# KiCad board haptic display 8x8 aisler.kicad_pcb (continued)
## Routing (per net, layer and track width the routed paths; a pad name or vN(x,y) marks a point on that pad's centre or on a via; arc(x,y) is an arc through that point) (continued)
  In2.Cu w0.15: 95.41,123.98 95.36,123.96 95,123.6 95,123.55 94.79,123.56 94.59,123.6 94.39,123.67 94.2,123.76 94.03,123.88 93.88,124.03 93.75,124.19 93.64,124.38 93.56,124.58 93.51,124.79 93.49,125 93.5,125.22 93.54,125.43 93.61,125.64 93.71,125.83 93.84,126.01 93.99,126.17 94.16,126.31 94.35,126.42 94.56,126.5 94.78,126.55 95,126.58 95.22,126.56 95.45,126.52 95.66,126.45 95.86,126.34 96.05,126.21 96.22,126.05 96.36,125.87 96.47,125.67 96.56,125.46 96.62,125.23 96.64,125 96.63,124.77 96.58,124.54 96.51,124.31 96.4,124.1 96.26,123.91 96.09,123.74 95.91,123.59 95.7,123.47 95.48,123.38 95.24,123.32 95,123.3 94.78,123.31 94.56,123.35 94.34,123.41 94.14,123.51 93.95,123.63 93.78,123.78 93.62,123.94 93.49,124.13 93.39,124.33 93.31,124.55 93.26,124.77 93.24,125 93.25,125.23 93.29,125.46 93.36,125.68 93.46,125.89 93.58,126.09 93.73,126.27 93.9,126.43 94.1,126.56 94.31,126.67 94.53,126.75 94.76,126.8 95,126.83 95.24,126.81 95.48,126.77 95.7,126.7 95.92,126.6 96.13,126.47 96.31,126.31 96.48,126.13 96.62,125.93 96.73,125.72 96.81,125.49 96.87,125.25 96.89,125 96.88,124.75 96.83,124.51 96.76,124.27 96.65,124.05 96.52,123.84 96.36,123.64 96.17,123.47 95.96,123.33 95.74,123.21 95.5,123.13 95.25,123.07 95,123.05 94.76,123.06 94.53,123.1 94.3,123.16 94.08,123.26 93.88,123.38 93.69,123.52 93.52,123.68 93.36,123.87 93.24,124.07 93.13,124.29 93.06,124.52 93.01,124.76 92.99,125 93,125.24 93.04,125.48 93.1,125.72 93.2,125.94 93.32,126.16 93.47,126.35 93.64,126.53 93.83,126.69 94.04,126.82 94.27,126.93 94.51,127.01 94.75,127.06 95,127.08 95.25,127.06 95.5,127.02 95.74,126.95 95.97,126.85 96.19,126.73 96.4,126.57 96.58,126.4 96.74,126.2 96.88,125.98 96.99,125.75 97.07,125.51 97.12,125.26 97.14,125 97.13,124.74 97.08,124.49 97.01,124.24 96.91,124 96.78,123.77 96.62,123.56 96.44,123.37 96.24,123.21 96.01,123.07 95.78,122.96 95.52,122.87 95.26,122.82 95,122.8 94.75,122.81 94.51,122.85 94.27,122.91 94.04,123 93.82,123.12 93.61,123.26 93.42,123.42 93.25,123.61 93.1,123.81 92.98,124.03 92.88,124.26 92.8,124.5 92.76,124.75 92.74,125 92.75,125.25 92.79,125.51 92.85,125.75 92.95,125.99 93.07,126.22 93.21,126.43 93.38,126.62 93.57,126.8 93.77,126.95 94,127.08 94.24,127.18 94.48,127.26 94.74,127.31 95,127.33 95.26,127.31 95.52,127.28 95.77,127.21 96.02,127.11 96.25,126.99 96.47,126.84 96.67,126.67 96.85,126.47 97,126.26 97.13,126.03 97.24,125.78 97.32,125.53 97.37,125.27 97.39,125 97.38,124.73 97.34,124.47 97.27,124.21 97.17,123.96 97.04,123.72 96.89,123.49 96.71,123.29 96.51,123.11 96.29,122.94 96.06,122.81 95.8,122.7 95.54,122.62 95.27,122.57 95,122.55 94.74,122.56 94.49,122.6 94.24,122.66 94,122.75 93.76,122.86 93.55,123 93.34,123.16 93.15,123.34 92.99,123.54 92.84,123.75 92.72,123.98 92.62,124.23 92.55,124.48 92.51,124.74 92.49,125 92.5,125.26 92.53,125.52 92.6,125.78 92.69,126.03 92.81,126.27 92.95,126.49 93.11,126.7 93.3,126.89 93.5,127.06 93.72,127.21 93.96,127.34 94.21,127.44 94.47,127.51 94.73,127.56 95,127.58 95.27,127.57 95.54,127.53 95.8,127.46 96.05,127.37 96.3,127.25 96.53,127.1 96.74,126.94 96.94,126.75 97.11,126.54 97.27,126.31 97.39,126.07 97.5,125.81 97.57,125.55 97.62,125.28 97.64,125 97.63,124.72 97.59,124.45 97.52,124.18 97.42,123.92 97.3,123.67 97.15,123.44 96.98,123.22 96.79,123.02 96.57,122.84 96.34,122.68 96.09,122.55 95.83,122.44 95.56,122.37 95.28,122.32 95,122.3 94.73,122.31 94.47,122.34 94.21,122.41 93.96,122.49 93.72,122.6 93.49,122.74 93.27,122.89 93.07,123.07 92.89,123.26 92.72,123.48 92.58,123.71 92.46,123.95 92.37,124.2 92.3,124.46 92.25,124.73 92.24,125 92.25,125.27 92.28,125.54 92.35,125.81 92.43,126.06 92.55,126.31 92.68,126.55 92.84,126.77 93.02,126.98 93.23,127.16 93.44,127.33 93.68,127.47 93.92,127.6 94.18,127.69 94.45,127.76 94.72,127.81 95,127.83 95.28,127.82 95.55,127.78 95.82,127.71 96.09,127.62 96.34,127.51 96.58,127.37 96.81,127.2 97.02,127.02 97.21,126.81 97.38,126.59 97.53,126.35 97.65,126.1 97.75,125.83 97.82,125.56 97.87,125.28 97.89,125 97.88,124.72 97.84,124.44 97.77,124.16 97.68,123.89 97.56,123.63 97.42,123.38 97.25,123.15 97.06,122.94 96.85,122.74 96.63,122.57 96.38,122.42 96.12,122.29 95.85,122.19 95.57,122.11 95.29,122.07 95,122.05 94.73,122.06 94.46,122.09 94.19,122.15 93.93,122.24 93.68,122.34 93.44,122.47 93.21,122.63 92.99,122.8 92.8,122.99 92.62,123.2 92.46,123.43 92.32,123.67 92.2,123.92 92.11,124.18 92.05,124.45 92,124.72 91.99,125 92,125.28 92.03,125.55 92.09,125.83 92.18,126.09 92.29,126.35 92.42,126.6 92.58,126.83 92.75,127.05 92.95,127.25 93.16,127.43 93.39,127.6 93.64,127.74 93.89,127.85 94.16,127.95 94.44,128.02 94.72,128.06 95,128.07 95.28,128.07 95.57,128.03 95.84,127.97 96.12,127.88 96.38,127.77 96.63,127.63 96.87,127.47 97.09,127.29 97.3,127.09 97.48,126.88 97.65,126.64 97.79,126.39 97.91,126.13 98.01,125.86 98.08,125.58 98.12,125.29 98.14,125 98.13,124.71 98.09,124.42 98.03,124.14 97.94,123.86 97.83,123.59 97.69,123.34 97.52,123.09 97.34,122.87 97.14,122.66 96.91,122.47 96.67,122.3 96.42,122.15 96.15,122.03 95.87,121.93 95.59,121.86 95.29,121.82 95,121.8 94.72,121.81 94.44,121.84 94.17,121.9 93.9,121.98 93.64,122.08 93.39,122.21 93.15,122.36 92.93,122.53 92.72,122.72 92.52,122.92 92.35,123.14 92.19,123.38 92.06,123.63 91.95,123.89 91.86,124.16 91.79,124.43 91.75,124.72 91.74,125 91.75,125.28 91.78,125.57 91.84,125.85 91.92,126.12 92.03,126.39 92.16,126.64 92.31,126.89 92.48,127.11 92.67,127.33 92.88,127.53 93.11,127.7 93.35,127.86 93.6,128 93.87,128.11 94.14,128.2 94.42,128.27 94.71,128.31 95,128.32 95.29,128.32 95.58,128.28 95.86,128.22 96.14,128.14 96.41,128.03 96.67,127.9 96.92,127.74 97.16,127.57 97.37,127.37 97.57,127.16 97.75,126.93 97.92,126.68 98.05,126.42 98.17,126.15 98.26,125.87 98.33,125.59 98.37,125.29 98.39,125 98.38,124.7 98.34,124.41 98.28,124.12 98.2,123.84 98.09,123.56 97.95,123.3 97.79,123.04 97.62,122.8 97.42,122.58 97.2,122.38 96.96,122.19 96.71,122.03 96.45,121.89 96.18,121.77 95.89,121.68 95.6,121.61 95.3,121.57 95,121.55 94.71,121.56 94.43,121.59 94.15,121.65 93.88,121.72 93.61,121.83 93.35,121.95 93.1,122.09 92.86,122.26 92.64,122.44 92.44,122.64 92.25,122.86 92.08,123.09 91.93,123.34 91.8,123.6 91.69,123.86 91.6,124.14 91.54,124.42 91.5,124.71 91.49,125 91.5,125.29 91.53,125.58 91.59,125.86 91.67,126.14 91.77,126.42 91.89,126.68 92.04,126.93 92.21,127.17 92.39,127.4 92.6,127.61 92.82,127.8 93.06,127.97 93.31,128.13 93.57,128.26 93.84,128.37 94.12,128.46 94.41,128.52 94.71,128.56 95,128.57 95.3,128.57 95.59,128.53 95.88,128.48 96.17,128.39 96.44,128.29 96.71,128.16 96.97,128.01 97.21,127.84 97.44,127.65 97.65,127.44 97.85,127.22 98.03,126.98 98.18,126.72 98.32,126.45 98.43,126.18 98.52,125.89 98.58,125.6 98.62,125.3 98.64,125 98.63,124.7 98.59,124.4 98.54,124.1 98.45,123.81 98.35,123.53 98.22,123.26 98.06,123 97.89,122.75 97.7,122.52 97.49,122.3 97.26,122.1 97.01,121.92 96.75,121.76 96.48,121.63 96.2,121.51 95.91,121.42 95.61,121.36 95.31,121.32 95,121.3 94.71,121.31 94.42,121.34 94.13,121.39 93.85,121.47 93.58,121.57 93.31,121.69 93.06,121.83 92.81,121.99 92.58,122.17 92.36,122.36 92.16,122.57 91.98,122.8 91.81,123.05 91.66,123.3 91.54,123.57 91.43,123.84 91.35,124.12 91.29,124.41 91.25,124.71 91.24,125 91.25,125.3 91.28,125.59 91.33,125.88 91.41,126.17 91.51,126.45 91.63,126.72 91.77,126.98 91.94,127.23 92.12,127.46 92.32,127.68 92.53,127.89 92.77,128.07 93.01,128.24 93.27,128.39 93.54,128.52 93.82,128.63 94.11,128.71 94.4,128.77 94.7,128.81 95,128.82 95.3,128.82 95.6,128.78 95.9,128.73 96.19,128.65 96.47,128.55 96.75,128.42 97.01,128.28 97.26,128.11 97.5,127.93 97.73,127.73 97.93,127.51 98.12,127.27 98.3,127.02 98.45,126.76 98.58,126.48 98.69,126.2 98.77,125.91 98.83,125.61 98.87,125.3 98.89,125 98.88,124.69 98.85,124.39 98.79,124.09 98.71,123.79 98.61,123.51 98.48,123.23 98.33,122.96 98.17,122.7 97.98,122.46 97.77,122.23 97.55,122.02 97.31,121.82 97.05,121.65 96.78,121.5 96.51,121.37 96.22,121.26 95.92,121.17 95.62,121.1 95.31,121.07 95,121.05 94.7,121.06 94.41,121.09 94.12,121.14 93.83,121.21 93.55,121.31 93.28,121.43 93.01,121.56 92.76,121.72 92.52,121.89 92.29,122.08 92.08,122.29 91.88,122.51 91.7,122.75 91.54,123 91.4,123.27 91.28,123.54 91.18,123.82 91.1,124.11 91.04,124.4 91,124.7 90.99,125 91,125.3 91.03,125.6 91.08,125.89 91.15,126.19 91.25,126.47 91.37,126.75 91.51,127.02 91.67,127.27 91.84,127.52 92.04,127.75 92.25,127.97 92.48,128.17 92.72,128.35 92.97,128.51 93.24,128.66 93.52,128.78 93.8,128.88 94.1,128.96 94.39,129.02 94.7,129.06 95,129.07 95.3,129.07 95.61,129.04 95.91,128.98 96.2,128.91 96.49,128.81 96.78,128.69 97.05,128.55 97.31,128.39 97.56,128.21 97.79,128.01 98.01,127.79 98.21,127.56 98.4,127.32 98.57,127.06 98.71,126.79 98.84,126.51 98.94,126.22 99.03,125.92 99.09,125.62 99.12,125.31 99.14,125 99.13,124.69 99.1,124.38 99.04,124.08 98.97,123.78 98.87,123.48 98.74,123.2 98.6,122.92 98.44,122.66 98.26,122.4 98.05,122.17 97.84,121.94 97.6,121.74 97.35,121.55 97.09,121.38 96.81,121.23 96.53,121.1 96.23,121 95.93,120.91 95.63,120.85 95.31,120.81 95,120.8 94.7,120.81 94.4,120.84 94.11,120.89 93.81,120.96 93.53,121.05 93.25,121.16 92.98,121.3 92.72,121.45 92.47,121.62 92.23,121.8 92.01,122.01 91.8,122.23 91.61,122.46 91.43,122.71 91.28,122.97 91.14,123.24 91.02,123.52 90.92,123.8 90.84,124.1 90.79,124.39 90.75,124.7 90.74,125 90.75,125.3 90.78,125.61 90.83,125.91 90.9,126.2 90.99,126.49 91.11,126.78 91.24,127.05 91.4,127.32 91.57,127.57 91.76,127.81 91.96,128.04 92.19,128.25 92.42,128.44 92.67,128.62 92.94,128.78 93.21,128.92 93.49,129.04 93.78,129.14 94.08,129.22 94.39,129.28 94.69,129.31 95,129.32 95.31,129.32 95.62,129.29 95.92,129.23 96.22,129.16 96.52,129.07 96.8,128.95 97.08,128.81 97.35,128.66 97.61,128.48 97.85,128.29 98.08,128.08 98.29,127.85 98.49,127.61 98.67,127.36 98.83,127.09 98.98,126.82 99.1,126.53 99.2,126.23 99.28,125.93 99.34,125.62 99.37,125.31 99.39,125 99.38,124.69 99.35,124.37 99.3,124.07 99.22,123.76 99.12,123.46 99.01,123.17 98.87,122.89 98.71,122.62 98.53,122.36 98.34,122.11 98.12,121.88 97.9,121.66 97.65,121.46 97.39,121.28 97.12,121.11 96.84,120.97 96.55,120.84 96.25,120.74 95.94,120.66 95.63,120.6 95.32,120.56 95,120.55 95,120.35 v1(95.35,120) ; 95.41,108.98 95.36,108.96 95,108.6 95,108.55 94.79,108.56 94.59,108.6 94.39,108.67 94.2,108.76 94.03,108.88 93.88,109.03 93.75,109.19 93.64,109.38 93.56,109.58 93.51,109.79 93.49,110 93.5,110.22 93.54,110.43 93.61,110.64 93.71,110.83 93.84,111.01 93.99,111.17 94.16,111.31 94.35,111.42 94.56,111.5 94.78,111.55 95,111.58 95.22,111.56 95.45,111.52 95.66,111.45 95.86,111.34 96.05,111.21 96.22,111.05 96.36,110.87 96.47,110.67 96.56,110.46 96.62,110.23 96.64,110 96.63,109.77 96.58,109.54 96.51,109.31 96.4,109.1 96.26,108.91 96.09,108.74 95.91,108.59 95.7,108.47 95.48,108.38 95.24,108.32 95,108.3 94.78,108.31 94.56,108.35 94.34,108.41 94.14,108.51 93.95,108.63 93.78,108.78 93.62,108.94 93.49,109.13 93.39,109.33 93.31,109.55 93.26,109.77 93.24,110 93.25,110.23 93.29,110.46 93.36,110.68 93.46,110.89 93.58,111.09 93.73,111.27 93.9,111.43 94.1,111.56 94.31,111.67 94.53,111.75 94.76,111.8 95,111.83 95.24,111.81 95.48,111.77 95.7,111.7 95.92,111.6 96.13,111.47 96.31,111.31 96.48,111.13 96.62,110.93 96.73,110.72 96.81,110.49 96.87,110.25 96.89,110 96.88,109.75 96.83,109.51 96.76,109.27 96.65,109.05 96.52,108.84 96.36,108.64 96.17,108.47 95.96,108.33 95.74,108.21 95.5,108.13 95.25,108.07 95,108.05 94.76,108.06 94.53,108.1 94.3,108.16 94.08,108.26 93.88,108.38 93.69,108.52 93.52,108.68 93.36,108.87 93.24,109.07 93.13,109.29 93.06,109.52 93.01,109.76 92.99,110 93,110.24 93.04,110.48 93.1,110.72 93.2,110.94 93.32,111.16 93.47,111.35 93.64,111.53 93.83,111.69 94.04,111.82 94.27,111.93 94.51,112.01 94.75,112.06 95,112.08 95.25,112.06 95.5,112.02 95.74,111.95 95.97,111.85 96.19,111.73 96.4,111.57 96.58,111.4 96.74,111.2 96.88,110.98 96.99,110.75 97.07,110.51 97.12,110.26 97.14,110 97.13,109.74 97.08,109.49 97.01,109.24 96.91,109 96.78,108.77 96.62,108.56 96.44,108.37 96.24,108.21 96.01,108.07 95.78,107.96 95.52,107.87 95.26,107.82 95,107.8 94.75,107.81 94.51,107.85 94.27,107.91 94.04,108 93.82,108.12 93.61,108.26 93.42,108.42 93.25,108.61 93.1,108.81 92.98,109.03 92.88,109.26 92.8,109.5 92.76,109.75 92.74,110 92.75,110.25 92.79,110.51 92.85,110.75 92.95,110.99 93.07,111.22 93.21,111.43 93.38,111.62 93.57,111.8 93.77,111.95 94,112.08 94.24,112.18 94.48,112.26 94.74,112.31 95,112.33 95.26,112.31 95.52,112.28 95.77,112.21 96.02,112.11 96.25,111.99 96.47,111.84 96.67,111.67 96.85,111.47 97,111.26 97.13,111.03 97.24,110.78 97.32,110.53 97.37,110.27 97.39,110 97.38,109.73 97.34,109.47 97.27,109.21 97.17,108.96 97.04,108.72 96.89,108.49 96.71,108.29 96.51,108.11 96.29,107.94 96.06,107.81 95.8,107.7 95.54,107.62 95.27,107.57 95,107.55 94.74,107.56 94.49,107.6 94.24,107.66 94,107.75 93.76,107.86 93.55,108 93.34,108.16 93.15,108.34 92.99,108.54 92.84,108.75 92.72,108.98 92.62,109.23 92.55,109.48 92.51,109.74 92.49,110 92.5,110.26 92.53,110.52 92.6,110.78 92.69,111.03 92.81,111.27 92.95,111.49 93.11,111.7 93.3,111.89 93.5,112.06 93.72,112.21 93.96,112.34 94.21,112.44 94.47,112.51 94.73,112.56 95,112.58 95.27,112.57 95.54,112.53 95.8,112.46 96.05,112.37 96.3,112.25 96.53,112.1 96.74,111.94 96.94,111.75 97.11,111.54 97.27,111.31 97.39,111.07 97.5,110.81 97.57,110.55 97.62,110.28 97.64,110 97.63,109.72 97.59,109.45 97.52,109.18 97.42,108.92 97.3,108.67 97.15,108.44 96.98,108.22 96.79,108.02 96.57,107.84 96.34,107.68 96.09,107.55 95.83,107.44 95.56,107.37 95.28,107.32 95,107.3 94.73,107.31 94.47,107.34 94.21,107.41 93.96,107.49 93.72,107.6 93.49,107.74 93.27,107.89 93.07,108.07 92.89,108.26 92.72,108.48 92.58,108.71 92.46,108.95 92.37,109.2 92.3,109.46 92.25,109.73 92.24,110 92.25,110.27 92.28,110.54 92.35,110.81 92.43,111.06 92.55,111.31 92.68,111.55 92.84,111.77 93.02,111.98 93.23,112.16 93.44,112.33 93.68,112.47 93.92,112.6 94.18,112.69 94.45,112.76 94.72,112.81 95,112.83 95.28,112.82 95.55,112.78 95.82,112.71 96.09,112.62 96.34,112.51 96.58,112.37 96.81,112.2 97.02,112.02 97.21,111.81 97.38,111.59 97.53,111.35 97.65,111.1 97.75,110.83 97.82,110.56 97.87,110.28 97.89,110 97.88,109.72 97.84,109.44 97.77,109.16 97.68,108.89 97.56,108.63 97.42,108.38 97.25,108.15 97.06,107.94 96.85,107.74 96.63,107.57 96.38,107.42 96.12,107.29 95.85,107.19 95.57,107.11 95.29,107.07 95,107.05 94.73,107.06 94.46,107.09 94.19,107.15 93.93,107.24 93.68,107.34 93.44,107.47 93.21,107.63 92.99,107.8 92.8,107.99 92.62,108.2 92.46,108.43 92.32,108.67 92.2,108.92 92.11,109.18 92.05,109.45 92,109.72 91.99,110 92,110.28 92.03,110.55 92.09,110.83 92.18,111.09 92.29,111.35 92.42,111.6 92.58,111.83 92.75,112.05 92.95,112.25 93.16,112.43 93.39,112.6 93.64,112.74 93.89,112.85 94.16,112.95 94.44,113.02 94.72,113.06 95,113.08 95.28,113.07 95.57,113.03 95.84,112.97 96.12,112.88 96.38,112.77 96.63,112.63 96.87,112.47 97.09,112.29 97.3,112.09 97.48,111.88 97.65,111.64 97.79,111.39 97.91,111.13 98.01,110.86 98.08,110.58 98.12,110.29 98.14,110 98.13,109.71 98.09,109.42 98.03,109.14 97.94,108.86 97.83,108.59 97.69,108.34 97.52,108.09 97.34,107.87 97.14,107.66 96.91,107.47 96.67,107.3 96.42,107.15 96.15,107.03 95.87,106.93 95.59,106.86 95.29,106.82 95,106.8 94.72,106.81 94.44,106.84 94.17,106.9 93.9,106.98 93.64,107.08 93.39,107.21 93.15,107.36 92.93,107.53 92.72,107.72 92.52,107.92 92.35,108.14 92.19,108.38 92.06,108.63 91.95,108.89 91.86,109.16 91.79,109.43 91.75,109.72 91.74,110 91.75,110.28 91.78,110.57 91.84,110.85 91.92,111.12 92.03,111.39 92.16,111.64 92.31,111.89 92.48,112.11 92.67,112.33 92.88,112.53 93.11,112.7 93.35,112.86 93.6,113 93.87,113.11 94.14,113.2 94.42,113.27 94.71,113.31 95,113.33 95.29,113.32 95.58,113.28 95.86,113.22 96.14,113.14 96.41,113.03 96.67,112.9 96.92,112.74 97.16,112.57 97.37,112.37 97.57,112.16 97.75,111.93 97.92,111.68 98.05,111.42 98.17,111.15 98.26,110.87 98.33,110.59 98.37,110.29 98.39,110 98.38,109.7 98.34,109.41 98.28,109.12 98.2,108.84 98.09,108.56 97.95,108.3 97.79,108.04 97.62,107.8 97.42,107.58 97.2,107.38 96.96,107.19 96.71,107.03 96.45,106.89 96.18,106.77 95.89,106.68 95.6,106.61 95.3,106.57 95,106.55 94.71,106.56 94.43,106.59 94.15,106.65 93.88,106.72 93.61,106.83 93.35,106.95 93.1,107.09 92.86,107.26 92.64,107.44 92.44,107.64 92.25,107.86 92.08,108.09 91.93,108.34 91.8,108.6 91.69,108.86 91.6,109.14 91.54,109.42 91.5,109.71 91.49,110 91.5,110.29 91.53,110.58 91.59,110.86 91.67,111.14 91.77,111.42 91.89,111.68 92.04,111.93 92.21,112.17 92.39,112.4 92.6,112.61 92.82,112.8 93.06,112.97 93.31,113.13 93.57,113.26 93.84,113.37 94.12,113.46 94.41,113.52 94.71,113.56 95,113.58 95.3,113.57 95.59,113.53 95.88,113.48 96.17,113.39 96.44,113.29 96.71,113.16 96.97,113.01 97.21,112.84 97.44,112.65 97.65,112.44 97.85,112.22 98.03,111.98 98.18,111.72 98.32,111.45 98.43,111.18 98.52,110.89 98.58,110.6 98.62,110.3 98.64,110 98.63,109.7 98.59,109.4 98.54,109.1 98.45,108.81 98.35,108.53 98.22,108.26 98.06,108 97.89,107.75 97.7,107.52 97.49,107.3 97.26,107.1 97.01,106.92 96.75,106.76 96.48,106.63 96.2,106.51 95.91,106.42 95.61,106.36 95.31,106.32 95,106.3 94.71,106.31 94.42,106.34 94.13,106.39 93.85,106.47 93.58,106.57 93.31,106.69 93.06,106.83 92.81,106.99 92.58,107.17 92.36,107.36 92.16,107.57 91.98,107.8 91.81,108.05 91.66,108.3 91.54,108.57 91.43,108.84 91.35,109.12 91.29,109.41 91.25,109.71 91.24,110 91.25,110.3 91.28,110.59 91.33,110.88 91.41,111.17 91.51,111.45 91.63,111.72 91.77,111.98 91.94,112.23 92.12,112.46 92.32,112.68 92.53,112.89 92.77,113.07 93.01,113.24 93.27,113.39 93.54,113.52 93.82,113.63 94.11,113.71 94.4,113.77 94.7,113.81 95,113.83 95.3,113.82 95.6,113.78 95.9,113.73 96.19,113.65 96.47,113.55 96.75,113.42 97.01,113.28 97.26,113.11 97.5,112.93 97.73,112.73 97.93,112.51 98.12,112.27 98.3,112.02 98.45,111.76 98.58,111.48 98.69,111.2 98.77,110.91 98.83,110.61 98.87,110.3 98.89,110 98.88,109.69 98.85,109.39 98.79,109.09 98.71,108.79 98.61,108.51 98.48,108.23 98.33,107.96 98.17,107.7 97.98,107.46 97.77,107.23 97.55,107.02 97.31,106.82 97.05,106.65 96.78,106.5 96.51,106.37 96.22,106.26 95.92,106.17 95.62,106.1 95.31,106.07 95,106.05 94.7,106.06 94.41,106.09 94.12,106.14 93.83,106.21 93.55,106.31 93.28,106.43 93.01,106.56 92.76,106.72 92.52,106.89 92.29,107.08 92.08,107.29 91.88,107.51 91.7,107.75 91.54,108 91.4,108.27 91.28,108.54 91.18,108.82 91.1,109.11 91.04,109.4 91,109.7 90.99,110 91,110.3 91.03,110.6 91.08,110.89 91.15,111.19 91.25,111.47 91.37,111.75 91.51,112.02 91.67,112.27 91.84,112.52 92.04,112.75 92.25,112.97 92.48,113.17 92.72,113.35 92.97,113.51 93.24,113.66 93.52,113.78 93.8,113.88 94.1,113.96 94.39,114.02 94.7,114.06 95,114.08 95.3,114.07 95.61,114.04 95.91,113.98 96.2,113.91 96.49,113.81 96.78,113.69 97.05,113.55 97.31,113.39 97.56,113.21 97.79,113.01 98.01,112.79 98.21,112.56 98.4,112.32 98.57,112.06 98.71,111.79 98.84,111.51 98.94,111.22 99.03,110.92 99.09,110.62 99.12,110.31 99.14,110 99.13,109.69 99.1,109.38 99.04,109.08 98.97,108.78 98.87,108.48 98.74,108.2 98.6,107.92 98.44,107.66 98.26,107.4 98.05,107.17 97.84,106.94 97.6,106.74 97.35,106.55 97.09,106.38 96.81,106.23 96.53,106.1 96.23,106 95.93,105.91 95.63,105.85 95.31,105.81 95,105.8 94.7,105.81 94.4,105.84 94.11,105.89 93.81,105.96 93.53,106.05 93.25,106.16 92.98,106.3 92.72,106.45 92.47,106.62 92.23,106.8 92.01,107.01 91.8,107.23 91.61,107.46 91.43,107.71 91.28,107.97 91.14,108.24 91.02,108.52 90.92,108.8 90.84,109.1 90.79,109.39 90.75,109.7 90.74,110 90.75,110.3 90.78,110.61 90.83,110.91 90.9,111.2 90.99,111.49 91.11,111.78 91.24,112.05 91.4,112.32 91.57,112.57 91.76,112.81 91.96,113.04 92.19,113.25 92.42,113.44 92.67,113.62 92.94,113.78 93.21,113.92 93.49,114.04 93.78,114.14 94.08,114.22 94.39,114.28 94.69,114.31 95,114.33 95.31,114.32 95.62,114.29 95.92,114.23 96.22,114.16 96.52,114.07 96.8,113.95 97.08,113.81 97.35,113.66 97.61,113.48 97.85,113.29 98.08,113.08 98.29,112.85 98.49,112.61 98.67,112.36 98.83,112.09 98.98,111.82 99.1,111.53 99.2,111.23 99.28,110.93 99.34,110.62 99.37,110.31 99.39,110 99.38,109.69 99.35,109.37 99.3,109.07 99.22,108.76 99.12,108.46 99.01,108.17 98.87,107.89 98.71,107.62 98.53,107.36 98.34,107.11 98.12,106.88 97.9,106.66 97.65,106.46 97.39,106.28 97.12,106.11 96.84,105.97 96.55,105.84 96.25,105.74 95.94,105.66 95.63,105.6 95.32,105.56 95,105.55 95,105.35 v1(95.35,105) ; 95.41,93.98 95.36,93.96 95,93.6 95,93.55 94.79,93.56 94.59,93.6 94.39,93.67 94.2,93.76 94.03,93.88 93.88,94.03 93.75,94.19 93.64,94.38 93.56,94.58 93.51,94.79 93.49,95 93.5,95.22 93.54,95.43 93.61,95.64 93.71,95.83 93.84,96.01 93.99,96.17 94.16,96.31 94.35,96.42 94.56,96.5 94.78,96.55 95,96.58 95.22,96.56 95.45,96.52 95.66,96.45 95.86,96.34 96.05,96.21 96.22,96.05 96.36,95.87 96.47,95.67 96.56,95.46 96.62,95.23 96.64,95 96.63,94.77 96.58,94.54 96.51,94.31 96.4,94.1 96.26,93.91 96.09,93.74 95.91,93.59 95.7,93.47 95.48,93.38 95.24,93.32 95,93.3 94.78,93.31 94.56,93.35 94.34,93.41 94.14,93.51 93.95,93.63 93.78,93.78 93.62,93.94 93.49,94.13 93.39,94.33 93.31,94.55 93.26,94.77 93.24,95 93.25,95.23 93.29,95.46 93.36,95.68 93.46,95.89 93.58,96.09 93.73,96.27 93.9,96.43 94.1,96.56 94.31,96.67 94.53,96.75 94.76,96.8 95,96.83 95.24,96.81 95.48,96.77 95.7,96.7 95.92,96.6 96.13,96.47 96.31,96.31 96.48,96.13 96.62,95.93 96.73,95.72 96.81,95.49 96.87,95.25 96.89,95 96.88,94.75 96.83,94.51 96.76,94.27 96.65,94.05 96.52,93.84 96.36,93.64 96.17,93.47 95.96,93.33 95.74,93.21 95.5,93.13 95.25,93.07 95,93.05 94.76,93.06 94.53,93.1 94.3,93.16 94.08,93.26 93.88,93.38 93.69,93.52 93.52,93.68 93.36,93.87 93.24,94.07 93.13,94.29 93.06,94.52 93.01,94.76 92.99,95 93,95.24 93.04,95.48 93.1,95.72 93.2,95.94 93.32,96.16 93.47,96.35 93.64,96.53 93.83,96.69 94.04,96.82 94.27,96.93 94.51,97.01 94.75,97.06 95,97.08 95.25,97.06 95.5,97.02 95.74,96.95 95.97,96.85 96.19,96.73 96.4,96.57 96.58,96.4 96.74,96.2 96.88,95.98 96.99,95.75 97.07,95.51 97.12,95.26 97.14,95 97.13,94.74 97.08,94.49 97.01,94.24 96.91,94 96.78,93.77 96.62,93.56 96.44,93.37 96.24,93.21 96.01,93.07 95.78,92.96 95.52,92.87 95.26,92.82 95,92.8 94.75,92.81 94.51,92.85 94.27,92.91 94.04,93 93.82,93.12 93.61,93.26 93.42,93.42 93.25,93.61 93.1,93.81 92.98,94.03 92.88,94.26 92.8,94.5 92.76,94.75 92.74,95 92.75,95.25 92.79,95.51 92.85,95.75 92.95,95.99 93.07,96.22 93.21,96.43 93.38,96.62 93.57,96.8 93.77,96.95 94,97.08 94.24,97.18 94.48,97.26 94.74,97.31 95,97.33 95.26,97.31 95.52,97.28 95.77,97.21 96.02,97.11 96.25,96.99 96.47,96.84 96.67,96.67 96.85,96.47 97,96.26 97.13,96.03 97.24,95.78 97.32,95.53 97.37,95.27 97.39,95 97.38,94.73 97.34,94.47 97.27,94.21 97.17,93.96 97.04,93.72 96.89,93.49 96.71,93.29 96.51,93.11 96.29,92.94 96.06,92.81 95.8,92.7 95.54,92.62 95.27,92.57 95,92.55 94.74,92.56 94.49,92.6 94.24,92.66 94,92.75 93.76,92.86 93.55,93 93.34,93.16 93.15,93.34 92.99,93.54 92.84,93.75 92.72,93.98 92.62,94.23 92.55,94.48 92.51,94.74 92.49,95 92.5,95.26 92.53,95.52 92.6,95.78 92.69,96.03 92.81,96.27 92.95,96.49 93.11,96.7 93.3,96.89 93.5,97.06 93.72,97.21 93.96,97.34 94.21,97.44 94.47,97.51 94.73,97.56 95,97.58 95.27,97.57 95.54,97.53 95.8,97.46 96.05,97.37 96.3,97.25 96.53,97.1 96.74,96.94 96.94,96.75 97.11,96.54 97.27,96.31 97.39,96.07 97.5,95.81 97.57,95.55 97.62,95.28 97.64,95 97.63,94.72 97.59,94.45 97.52,94.18 97.42,93.92 97.3,93.67 97.15,93.44 96.98,93.22 96.79,93.02 96.57,92.84 96.34,92.68 96.09,92.55 95.83,92.44 95.56,92.37 95.28,92.32 95,92.3 94.73,92.31 94.47,92.34 94.21,92.41 93.96,92.49 93.72,92.6 93.49,92.74 93.27,92.89 93.07,93.07 92.89,93.26 92.72,93.48 92.58,93.71 92.46,93.95 92.37,94.2 92.3,94.46 92.25,94.73 92.24,95 92.25,95.27 92.28,95.54 92.35,95.81 92.43,96.06 92.55,96.31 92.68,96.55 92.84,96.77 93.02,96.98 93.23,97.16 93.44,97.33 93.68,97.47 93.92,97.6 94.18,97.69 94.45,97.76 94.72,97.81 95,97.83 95.28,97.82 95.55,97.78 95.82,97.71 96.09,97.62 96.34,97.51 96.58,97.37 96.81,97.2 97.02,97.02 97.21,96.81 97.38,96.59 97.53,96.35 97.65,96.1 97.75,95.83 97.82,95.56 97.87,95.28 97.89,95 97.88,94.72 97.84,94.44 97.77,94.16 97.68,93.89 97.56,93.63 97.42,93.38 97.25,93.15 97.06,92.94 96.85,92.74 96.63,92.57 96.38,92.42 96.12,92.29 95.85,92.19 95.57,92.11 95.29,92.07 95,92.05 94.73,92.06 94.46,92.09 94.19,92.15 93.93,92.24 93.68,92.34 93.44,92.47 93.21,92.63 92.99,92.8 92.8,92.99 92.62,93.2 92.46,93.43 92.32,93.67 92.2,93.92 92.11,94.18 92.05,94.45 92,94.72 91.99,95 92,95.28 92.03,95.55 92.09,95.83 92.18,96.09 92.29,96.35 92.42,96.6 92.58,96.83 92.75,97.05 92.95,97.25 93.16,97.43 93.39,97.6 93.64,97.74 93.89,97.85 94.16,97.95 94.44,98.02 94.72,98.06 95,98.08 95.28,98.07 95.57,98.03 95.84,97.97 96.12,97.88 96.38,97.77 96.63,97.63 96.87,97.47 97.09,97.29 97.3,97.09 97.48,96.88 97.65,96.64 97.79,96.39 97.91,96.13 98.01,95.86 98.08,95.58 98.12,95.29 98.14,95 98.13,94.71 98.09,94.42 98.03,94.14 97.94,93.86 97.83,93.59 97.69,93.34 97.52,93.09 97.34,92.87 97.14,92.66 96.91,92.47 96.67,92.3 96.42,92.15 96.15,92.03 95.87,91.93 95.59,91.86 95.29,91.82 95,91.8 94.72,91.81 94.44,91.84 94.17,91.9 93.9,91.98 93.64,92.08 93.39,92.21 93.15,92.36 92.93,92.53 92.72,92.72 92.52,92.92 92.35,93.14 92.19,93.38 92.06,93.63 91.95,93.89 91.86,94.16 91.79,94.43 91.75,94.72 91.74,95 91.75,95.28 91.78,95.57 91.84,95.85 91.92,96.12 92.03,96.39 92.16,96.64 92.31,96.89 92.48,97.11 92.67,97.33 92.88,97.53 93.11,97.7 93.35,97.86 93.6,98 93.87,98.11 94.14,98.2 94.42,98.27 94.71,98.31 95,98.33 95.29,98.32 95.58,98.28 95.86,98.22 96.14,98.14 96.41,98.03 96.67,97.9 96.92,97.74 97.16,97.57 97.37,97.37 97.57,97.16 97.75,96.93 97.92,96.68 98.05,96.42 98.17,96.15 98.26,95.87 98.33,95.59 98.37,95.29 98.39,95 98.38,94.7 98.34,94.41 98.28,94.12 98.2,93.84 98.09,93.56 97.95,93.3 97.79,93.04 97.62,92.8 97.42,92.58 97.2,92.38 96.96,92.19 96.71,92.03 96.45,91.89 96.18,91.77 95.89,91.68 95.6,91.61 95.3,91.57 95,91.55 94.71,91.56 94.43,91.59 94.15,91.65 93.88,91.72 93.61,91.83 93.35,91.95 93.1,92.09 92.86,92.26 92.64,92.44 92.44,92.64 92.25,92.86 92.08,93.09 91.93,93.34 91.8,93.6 91.69,93.86 91.6,94.14 91.54,94.42 91.5,94.71 91.49,95 91.5,95.29 91.53,95.58 91.59,95.86 91.67,96.14 91.77,96.42 91.89,96.68 92.04,96.93 92.21,97.17 92.39,97.4 92.6,97.61 92.82,97.8 93.06,97.97 93.31,98.13 93.57,98.26 93.84,98.37 94.12,98.46 94.41,98.52 94.71,98.56 95,98.58 95.3,98.57 95.59,98.53 95.88,98.48 96.17,98.39 96.44,98.29 96.71,98.16 96.97,98.01 97.21,97.84 97.44,97.65 97.65,97.44 97.85,97.22 98.03,96.98 98.18,96.72 98.32,96.45 98.43,96.18 98.52,95.89 98.58,95.6 98.62,95.3 98.64,95 98.63,94.7 98.59,94.4 98.54,94.1 98.45,93.81 98.35,93.53 98.22,93.26 98.06,93 97.89,92.75 97.7,92.52 97.49,92.3 97.26,92.1 97.01,91.92 96.75,91.76 96.48,91.63 96.2,91.51 95.91,91.42 95.61,91.36 95.31,91.32 95,91.3 94.71,91.31 94.42,91.34 94.13,91.39 93.85,91.47 93.58,91.57 93.31,91.69 93.06,91.83 92.81,91.99 92.58,92.17 92.36,92.36 92.16,92.57 91.98,92.8 91.81,93.05 91.66,93.3 91.54,93.57 91.43,93.84 91.35,94.12 91.29,94.41 91.25,94.71 91.24,95 91.25,95.3 91.28,95.59 91.33,95.88 91.41,96.17 91.51,96.45 91.63,96.72 91.77,96.98 91.94,97.23 92.12,97.46 92.32,97.68 92.53,97.89 92.77,98.07 93.01,98.24 93.27,98.39 93.54,98.52 93.82,98.63 94.11,98.71 94.4,98.77 94.7,98.81 95,98.83 95.3,98.82 95.6,98.78 95.9,98.73 96.19,98.65 96.47,98.55 96.75,98.42 97.01,98.28 97.26,98.11 97.5,97.93 97.73,97.73 97.93,97.51 98.12,97.27 98.3,97.02 98.45,96.76 98.58,96.48 98.69,96.2 98.77,95.91 98.83,95.61 98.87,95.3 98.89,95 98.88,94.69 98.85,94.39 98.79,94.09 98.71,93.79 98.61,93.51 98.48,93.23 98.33,92.96 98.17,92.7 97.98,92.46 97.77,92.23 97.55,92.02 97.31,91.82 97.05,91.65 96.78,91.5 96.51,91.37 96.22,91.26 95.92,91.17 95.62,91.1 95.31,91.07 95,91.05 94.7,91.06 94.41,91.09 94.12,91.14 93.83,91.21 93.55,91.31 93.28,91.43 93.01,91.56 92.76,91.72 92.52,91.89 92.29,92.08 92.08,92.29 91.88,92.51 91.7,92.75 91.54,93 91.4,93.27 91.28,93.54 91.18,93.82 91.1,94.11 91.04,94.4 91,94.7 90.99,95 91,95.3 91.03,95.6 91.08,95.89 91.15,96.19 91.25,96.47 91.37,96.75 91.51,97.02 91.67,97.27 91.84,97.52 92.04,97.75 92.25,97.97 92.48,98.17 92.72,98.35 92.97,98.51 93.24,98.66 93.52,98.78 93.8,98.88 94.1,98.96 94.39,99.02 94.7,99.06 95,99.08 95.3,99.07 95.61,99.04 95.91,98.98 96.2,98.91 96.49,98.81 96.78,98.69 97.05,98.55 97.31,98.39 97.56,98.21 97.79,98.01 98.01,97.79 98.21,97.56 98.4,97.32 98.57,97.06 98.71,96.79 98.84,96.51 98.94,96.22 99.03,95.92 99.09,95.62 99.12,95.31 99.14,95 99.13,94.69 99.1,94.38 99.04,94.08 98.97,93.78 98.87,93.48 98.74,93.2 98.6,92.92 98.44,92.66 98.26,92.4 98.05,92.17 97.84,91.94 97.6,91.74 97.35,91.55 97.09,91.38 96.81,91.23 96.53,91.1 96.23,91 95.93,90.91 95.63,90.85 95.31,90.81 95,90.8 94.7,90.81 94.4,90.84 94.11,90.89 93.81,90.96 93.53,91.05 93.25,91.16 92.98,91.3 92.72,91.45 92.47,91.62 92.23,91.8 92.01,92.01 91.8,92.23 91.61,92.46 91.43,92.71 91.28,92.97 91.14,93.24 91.02,93.52 90.92,93.8 90.84,94.1 90.79,94.39 90.75,94.7 90.74,95 90.75,95.3 90.78,95.61 90.83,95.91 90.9,96.2 90.99,96.49 91.11,96.78 91.24,97.05 91.4,97.32 91.57,97.57 91.76,97.81 91.96,98.04 92.19,98.25 92.42,98.44 92.67,98.62 92.94,98.78 93.21,98.92 93.49,99.04 93.78,99.14 94.08,99.22 94.39,99.28 94.69,99.31 95,99.33 95.31,99.32 95.62,99.29 95.92,99.23 96.22,99.16 96.52,99.07 96.8,98.95 97.08,98.81 97.35,98.66 97.61,98.48 97.85,98.29 98.08,98.08 98.29,97.85 98.49,97.61 98.67,97.36 98.83,97.09 98.98,96.82 99.1,96.53 99.2,96.23 99.28,95.93 99.34,95.62 99.37,95.31 99.39,95 99.38,94.69 99.35,94.37 99.3,94.07 99.22,93.76 99.12,93.46 99.01,93.17 98.87,92.89 98.71,92.62 98.53,92.36 98.34,92.11 98.12,91.88 97.9,91.66 97.65,91.46 97.39,91.28 97.12,91.11 96.84,90.97 96.55,90.84 96.25,90.74 95.94,90.66 95.63,90.6 95.32,90.56 95,90.55 95,90.35 v1(95.35,90) ; 95.41,78.98 95.36,78.96 95,78.6 95,78.55 94.79,78.56 94.59,78.6 94.39,78.67 94.2,78.76 94.03,78.88 93.88,79.03 93.75,79.19 93.64,79.38 93.56,79.58 93.51,79.79 93.49,80 93.5,80.22 93.54,80.43 93.61,80.64 93.71,80.83 93.84,81.01 93.99,81.17 94.16,81.31 94.35,81.42 94.56,81.5 94.78,81.55 95,81.58 95.22,81.56 95.45,81.52 95.66,81.45 95.86,81.34 96.05,81.21 96.22,81.05 96.36,80.87 96.47,80.67 96.56,80.46 96.62,80.23 96.64,80 96.63,79.77 96.58,79.54 96.51,79.31 96.4,79.1 96.26,78.91 96.09,78.74 95.91,78.59 95.7,78.47 95.48,78.38 95.24,78.32 95,78.3 94.78,78.31 94.56,78.35 94.34,78.41 94.14,78.51 93.95,78.63 93.78,78.78 93.62,78.94 93.49,79.13 93.39,79.33 93.31,79.55 93.26,79.77 93.24,80 93.25,80.23 93.29,80.46 93.36,80.68 93.46,80.89 93.58,81.09 93.73,81.27 93.9,81.43 94.1,81.56 94.31,81.67 94.53,81.75 94.76,81.8 95,81.83 95.24,81.81 95.48,81.77 95.7,81.7 95.92,81.6 96.13,81.47 96.31,81.31 96.48,81.13 96.62,80.93 96.73,80.72 96.81,80.49 96.87,80.25 96.89,80 96.88,79.75 96.83,79.51 96.76,79.27 96.65,79.05 96.52,78.84 96.36,78.64 96.17,78.47 95.96,78.33 95.74,78.21 95.5,78.13 95.25,78.07 95,78.05 94.76,78.06 94.53,78.1 94.3,78.16 94.08,78.26 93.88,78.38 93.69,78.52 93.52,78.68 93.36,78.87 93.24,79.07 93.13,79.29 93.06,79.52 93.01,79.76 92.99,80 93,80.24 93.04,80.48 93.1,80.72 93.2,80.94 93.32,81.16 93.47,81.35 93.64,81.53 93.83,81.69 94.04,81.82 94.27,81.93 94.51,82.01 94.75,82.06 95,82.08 95.25,82.06 95.5,82.02 95.74,81.95 95.97,81.85 96.19,81.73 96.4,81.57 96.58,81.4 96.74,81.2 96.88,80.98 96.99,80.75 97.07,80.51 97.12,80.26 97.14,80 97.13,79.74 97.08,79.49 97.01,79.24 96.91,79 96.78,78.77 96.62,78.56 96.44,78.37 96.24,78.21 96.01,78.07 95.78,77.96 95.52,77.87 95.26,77.82 95,77.8 94.75,77.81 94.51,77.85 94.27,77.91 94.04,78 93.82,78.12 93.61,78.26 93.42,78.42 93.25,78.61 93.1,78.81 92.98,79.03 92.88,79.26 92.8,79.5 92.76,79.75 92.74,80 92.75,80.25 92.79,80.51 92.85,80.75 92.95,80.99 93.07,81.22 93.21,81.43 93.38,81.62 93.57,81.8 93.77,81.95 94,82.08 94.24,82.18 94.48,82.26 94.74,82.31 95,82.33 95.26,82.31 95.52,82.28 95.77,82.21 96.02,82.11 96.25,81.99 96.47,81.84 96.67,81.67 96.85,81.47 97,81.26 97.13,81.03 97.24,80.78 97.32,80.53 97.37,80.27 97.39,80 97.38,79.73 97.34,79.47 97.27,79.21 97.17,78.96 97.04,78.72 96.89,78.49 96.71,78.29 96.51,78.11 96.29,77.94 96.06,77.81 95.8,77.7 95.54,77.62 95.27,77.57 95,77.55 94.74,77.56 94.49,77.6 94.24,77.66 94,77.75 93.76,77.86 93.55,78 93.34,78.16 93.15,78.34 92.99,78.54 92.84,78.75 92.72,78.98 92.62,79.23 92.55,79.48 92.51,79.74 92.49,80 92.5,80.26 92.53,80.52 92.6,80.78 92.69,81.03 92.81,81.27 92.95,81.49 93.11,81.7 93.3,81.89 93.5,82.06 93.72,82.21 93.96,82.34 94.21,82.44 94.47,82.51 94.73,82.56 95,82.58 95.27,82.57 95.54,82.53 95.8,82.46 96.05,82.37 96.3,82.25 96.53,82.1 96.74,81.94 96.94,81.75 97.11,81.54 97.27,81.31 97.39,81.07 97.5,80.81 97.57,80.55 97.62,80.28 97.64,80 97.63,79.72 97.59,79.45 97.52,79.18 97.42,78.92 97.3,78.67 97.15,78.44 96.98,78.22 96.79,78.02 96.57,77.84 96.34,77.68 96.09,77.55 95.83,77.44 95.56,77.37 95.28,77.32 95,77.3 94.73,77.31 94.47,77.34 94.21,77.41 93.96,77.49 93.72,77.6 93.49,77.74 93.27,77.89 93.07,78.07 92.89,78.26 92.72,78.48 92.58,78.71 92.46,78.95 92.37,79.2 92.3,79.46 92.25,79.73 92.24,80 92.25,80.27 92.28,80.54 92.35,80.81 92.43,81.06 92.55,81.31 92.68,81.55 92.84,81.77 93.02,81.98 93.23,82.16 93.44,82.33 93.68,82.47 93.92,82.6 94.18,82.69 94.45,82.76 94.72,82.81 95,82.83 95.28,82.82 95.55,82.78 95.82,82.71 96.09,82.62 96.34,82.51 96.58,82.37 96.81,82.2 97.02,82.02 97.21,81.81 97.38,81.59 97.53,81.35 97.65,81.1 97.75,80.83 97.82,80.56 97.87,80.28 97.89,80 97.88,79.72 97.84,79.44 97.77,79.16 97.68,78.89 97.56,78.63 97.42,78.38 97.25,78.15 97.06,77.94 96.85,77.74 96.63,77.57 96.38,77.42 96.12,77.29 95.85,77.19 95.57,77.11 95.29,77.07 95,77.05 94.73,77.06 94.46,77.09 94.19,77.15 93.93,77.24 93.68,77.34 93.44,77.47 93.21,77.63 92.99,77.8 92.8,77.99 92.62,78.2 92.46,78.43 92.32,78.67 92.2,78.92 92.11,79.18 92.05,79.45 92,79.72 91.99,80 92,80.28 92.03,80.55 92.09,80.83 92.18,81.09 92.29,81.35 92.42,81.6 92.58,81.83 92.75,82.05 92.95,82.25 93.16,82.43 93.39,82.6 93.64,82.74 93.89,82.85 94.16,82.95 94.44,83.02 94.72,83.06 95,83.08 95.28,83.07 95.57,83.03 95.84,82.97 96.12,82.88 96.38,82.77 96.63,82.63 96.87,82.47 97.09,82.29 97.3,82.09 97.48,81.88 97.65,81.64 97.79,81.39 97.91,81.13 98.01,80.86 98.08,80.58 98.12,80.29 98.14,80 98.13,79.71 98.09,79.42 98.03,79.14 97.94,78.86 97.83,78.59 97.69,78.34 97.52,78.09 97.34,77.87 97.14,77.66 96.91,77.47 96.67,77.3 96.42,77.15 96.15,77.03 95.87,76.93 95.59,76.86 95.29,76.82 95,76.8 94.72,76.81 94.44,76.84 94.17,76.9 93.9,76.98 93.64,77.08 93.39,77.21 93.15,77.36 92.93,77.53 92.72,77.72 92.52,77.92 92.35,78.14 92.19,78.38 92.06,78.63 91.95,78.89 91.86,79.16 91.79,79.43 91.75,79.72 91.74,80 91.75,80.28 91.78,80.57 91.84,80.85 91.92,81.12 92.03,81.39 92.16,81.64 92.31,81.89 92.48,82.11 92.67,82.33 92.88,82.53 93.11,82.7 93.35,82.86 93.6,83 93.87,83.11 94.14,83.2 94.42,83.27 94.71,83.31 95,83.33 95.29,83.32 95.58,83.28 95.86,83.22 96.14,83.14 96.41,83.03 96.67,82.9 96.92,82.74 97.16,82.57 97.37,82.37 97.57,82.16 97.75,81.93 97.92,81.68 98.05,81.42 98.17,81.15 98.26,80.87 98.33,80.59 98.37,80.29 98.39,80 98.38,79.7 98.34,79.41 98.28,79.12 98.2,78.84 98.09,78.56 97.95,78.3 97.79,78.04 97.62,77.8 97.42,77.58 97.2,77.38 96.96,77.19 96.71,77.03 96.45,76.89 96.18,76.77 95.89,76.68 95.6,76.61 95.3,76.57 95,76.55 94.71,76.56 94.43,76.59 94.15,76.65 93.88,76.72 93.61,76.83 93.35,76.95 93.1,77.09 92.86,77.26 92.64,77.44 92.44,77.64 92.25,77.86 92.08,78.09 91.93,78.34 91.8,78.6 91.69,78.86 91.6,79.14 91.54,79.42 91.5,79.71 91.49,80 91.5,80.29 91.53,80.58 91.59,80.86 91.67,81.14 91.77,81.42 91.89,81.68 92.04,81.93 92.21,82.17 92.39,82.4 92.6,82.61 92.82,82.8 93.06,82.97 93.31,83.13 93.57,83.26 93.84,83.37 94.12,83.46 94.41,83.52 94.71,83.56 95,83.58 95.3,83.57 95.59,83.53 95.88,83.48 96.17,83.39 96.44,83.29 96.71,83.16 96.97,83.01 97.21,82.84 97.44,82.65 97.65,82.44 97.85,82.22 98.03,81.98 98.18,81.72 98.32,81.45 98.43,81.18 98.52,80.89 98.58,80.6 98.62,80.3 98.64,80 98.63,79.7 98.59,79.4 98.54,79.1 98.45,78.81 98.35,78.53 98.22,78.26 98.06,78 97.89,77.75 97.7,77.52 97.49,77.3 97.26,77.1 97.01,76.92 96.75,76.76 96.48,76.63 96.2,76.51 95.91,76.42 95.61,76.36 95.31,76.32 95,76.3 94.71,76.31 94.42,76.34 94.13,76.39 93.85,76.47 93.58,76.57 93.31,76.69 93.06,76.83 92.81,76.99 92.58,77.17 92.36,77.36 92.16,77.57 91.98,77.8 91.81,78.05 91.66,78.3 91.54,78.57 91.43,78.84 91.35,79.12 91.29,79.41 91.25,79.71 91.24,80 91.25,80.3 91.28,80.59 91.33,80.88 91.41,81.17 91.51,81.45 91.63,81.72 91.77,81.98 91.94,82.23 92.12,82.46 92.32,82.68 92.53,82.89 92.77,83.07 93.01,83.24 93.27,83.39 93.54,83.52 93.82,83.63 94.11,83.71 94.4,83.77 94.7,83.81 95,83.83 95.3,83.82 95.6,83.78 95.9,83.73 96.19,83.65 96.47,83.55 96.75,83.42 97.01,83.28 97.26,83.11 97.5,82.93 97.73,82.73 97.93,82.51 98.12,82.27 98.3,82.02 98.45,81.76 98.58,81.48 98.69,81.2 98.77,80.91 98.83,80.61 98.87,80.3 98.89,80 98.88,79.69 98.85,79.39 98.79,79.09 98.71,78.79 98.61,78.51 98.48,78.23 98.33,77.96 98.17,77.7 97.98,77.46 97.77,77.23 97.55,77.02 97.31,76.82 97.05,76.65 96.78,76.5 96.51,76.37 96.22,76.26 95.92,76.17 95.62,76.1 95.31,76.07 95,76.05 94.7,76.06 94.41,76.09 94.12,76.14 93.83,76.21 93.55,76.31 93.28,76.43 93.01,76.56 92.76,76.72 92.52,76.89 92.29,77.08 92.08,77.29 91.88,77.51 91.7,77.75 91.54,78 91.4,78.27 91.28,78.54 91.18,78.82 91.1,79.11 91.04,79.4 91,79.7 90.99,80 91,80.3 91.03,80.6 91.08,80.89 91.15,81.19 91.25,81.47 91.37,81.75 91.51,82.02 91.67,82.27 91.84,82.52 92.04,82.75 92.25,82.97 92.48,83.17 92.72,83.35 92.97,83.51 93.24,83.66 93.52,83.78 93.8,83.88 94.1,83.96 94.39,84.02 94.7,84.06 95,84.08 95.3,84.07 95.61,84.04 95.91,83.98 96.2,83.91 96.49,83.81 96.78,83.69 97.05,83.55 97.31,83.39 97.56,83.21 97.79,83.01 98.01,82.79 98.21,82.56 98.4,82.32 98.57,82.06 98.71,81.79 98.84,81.51 98.94,81.22 99.03,80.92 99.09,80.62 99.12,80.31 99.14,80 99.13,79.69 99.1,79.38 99.04,79.08 98.97,78.78 98.87,78.48 98.74,78.2 98.6,77.92 98.44,77.66 98.26,77.4 98.05,77.17 97.84,76.94 97.6,76.74 97.35,76.55 97.09,76.38 96.81,76.23 96.53,76.1 96.23,76 95.93,75.91 95.63,75.85 95.31,75.81 95,75.8 94.7,75.81 94.4,75.84 94.11,75.89 93.81,75.96 93.53,76.05 93.25,76.16 92.98,76.3 92.72,76.45 92.47,76.62 92.23,76.8 92.01,77.01 91.8,77.23 91.61,77.46 91.43,77.71 91.28,77.97 91.14,78.24 91.02,78.52 90.92,78.8 90.84,79.1 90.79,79.39 90.75,79.7 90.74,80 90.75,80.3 90.78,80.61 90.83,80.91 90.9,81.2 90.99,81.49 91.11,81.78 91.24,82.05 91.4,82.32 91.57,82.57 91.76,82.81 91.96,83.04 92.19,83.25 92.42,83.44 92.67,83.62 92.94,83.78 93.21,83.92 93.49,84.04 93.78,84.14 94.08,84.22 94.39,84.28 94.69,84.31 95,84.33 95.31,84.32 95.62,84.29 95.92,84.23 96.22,84.16 96.52,84.07 96.8,83.95 97.08,83.81 97.35,83.66 97.61,83.48 97.85,83.29 98.08,83.08 98.29,82.85 98.49,82.61 98.67,82.36 98.83,82.09 98.98,81.82 99.1,81.53 99.2,81.23 99.28,80.93 99.34,80.62 99.37,80.31 99.39,80 99.38,79.69 99.35,79.37 99.3,79.07 99.22,78.76 99.12,78.46 99.01,78.17 98.87,77.89 98.71,77.62 98.53,77.36 98.34,77.11 98.12,76.88 97.9,76.66 97.65,76.46 97.39,76.28 97.12,76.11 96.84,75.97 96.55,75.84 96.25,75.74 95.94,75.66 95.63,75.6 95.32,75.56 95,75.55 95,75.35 v1(95.35,75) ; 95.41,63.98 95.36,63.96 95,63.6 95,63.55 94.79,63.56 94.59,63.6 94.39,63.67 94.2,63.76 94.03,63.88 93.88,64.03 93.75,64.19 93.64,64.38 93.56,64.58 93.51,64.79 93.49,65 93.5,65.22 93.54,65.43 93.61,65.64 93.71,65.83 93.84,66.01 93.99,66.17 94.16,66.31 94.35,66.42 94.56,66.5 94.78,66.55 95,66.58 95.22,66.56 95.45,66.52 95.66,66.45 95.86,66.34 96.05,66.21 96.22,66.05 96.36,65.87 96.47,65.67 96.56,65.46 96.62,65.23 96.64,65 96.63,64.77 96.58,64.54 96.51,64.31 96.4,64.1 96.26,63.91 96.09,63.74 95.91,63.59 95.7,63.47 95.48,63.38 95.24,63.32 95,63.3 94.78,63.31 94.56,63.35 94.34,63.41 94.14,63.51 93.95,63.63 93.78,63.78 93.62,63.94 93.49,64.13 93.39,64.33 93.31,64.55 93.26,64.77 93.24,65 93.25,65.23 93.29,65.46 93.36,65.68 93.46,65.89 93.58,66.09 93.73,66.27 93.9,66.43 94.1,66.56 94.31,66.67 94.53,66.75 94.76,66.8 95,66.83 95.24,66.81 95.48,66.77 95.7,66.7 95.92,66.6 96.13,66.47 96.31,66.31 96.48,66.13 96.62,65.93 96.73,65.72 96.81,65.49 96.87,65.25 96.89,65 96.88,64.75 96.83,64.51 96.76,64.27 96.65,64.05 96.52,63.84 96.36,63.64 96.17,63.47 95.96,63.33 95.74,63.21 95.5,63.13 95.25,63.07 95,63.05 94.76,63.06 94.53,63.1 94.3,63.16 94.08,63.26 93.88,63.38 93.69,63.52 93.52,63.68 93.36,63.87 93.24,64.07 93.13,64.29 93.06,64.52 93.01,64.76 92.99,65 93,65.24 93.04,65.48 93.1,65.72 93.2,65.94 93.32,66.16 93.47,66.35 93.64,66.53 93.83,66.69 94.04,66.82 94.27,66.93 94.51,67.01 94.75,67.06 95,67.08 95.25,67.06 95.5,67.02 95.74,66.95 95.97,66.85 